# KiCad board stensgrind_pcb.kicad_pcb (continued)
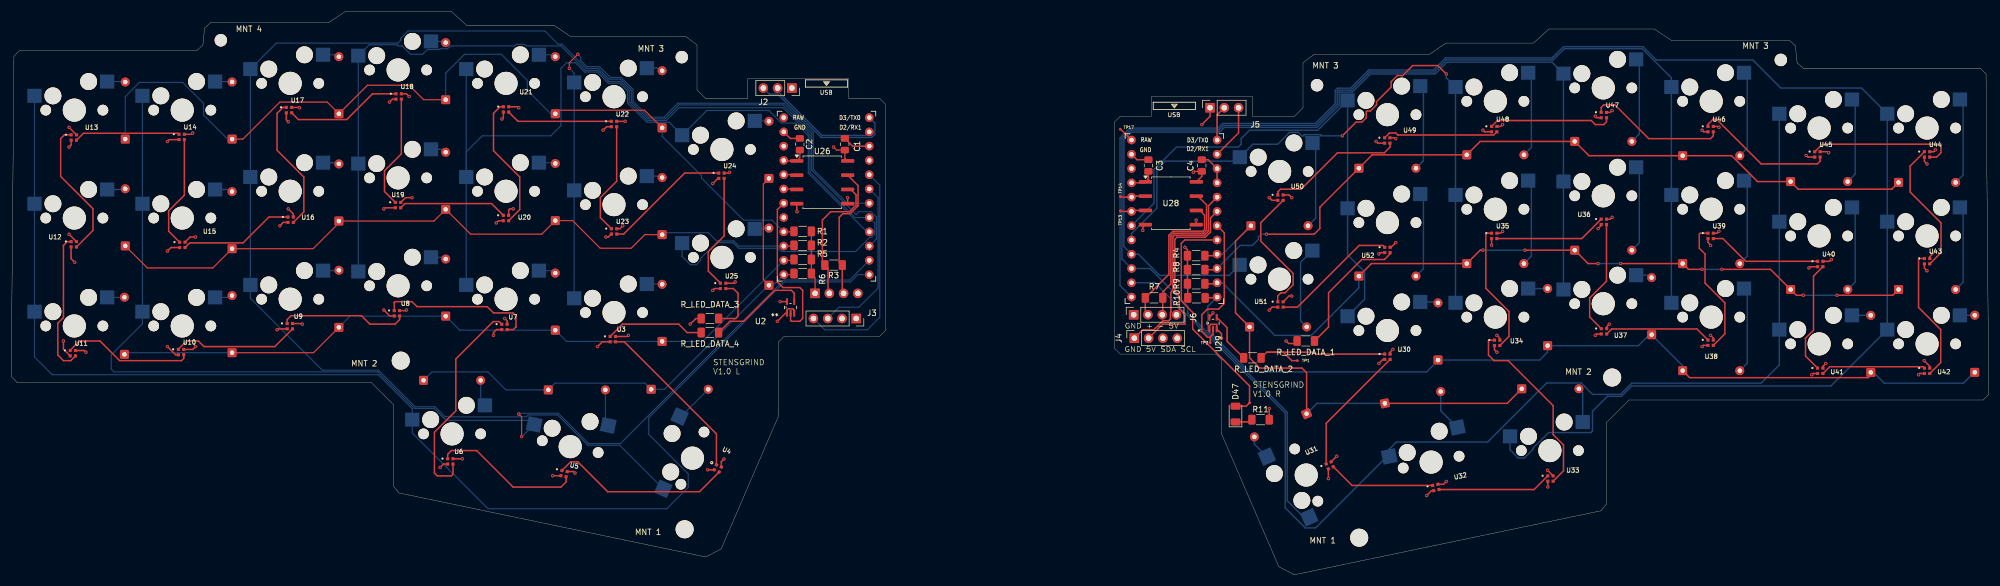
[diagram p0: board, top side]
## Nets (continued)
Net-(U52-DOUT): R_LED_DATA_1.1 U52.3

## Via types
v1: diameter 0.6, hole 0.3, Top to Bottom, 122 vias

## Routing (per net, layer and track width the routed paths; a pad name or vN(x,y) marks a point on that pad's centre or on a via; arc(x,y) is an arc through that point)
/LEFT_SIDE/V3.3: length 4.5
  Top w0.2: C2.2 140.28,74.18 U26.1 137.5,73.63 U1.21
/LEFT_SIDE/V5: length 49.2
  Top w0.2: U26.8 148.28,74.13 C1.2 146.82,75.55 v1(146.28,76.09)
  Top w0.25: U3.2 105.13,41.44 v1(104.28,40.59) ; v1(87.28,81.09) 87.55,81.35 87.55,82.32 ; U11.2 9.28,40.14 v1(9.28,41.59) ; v1(85.78,42.59) 85.78,43.09 86.31,43.62 U7.2 ; v1(27.78,57.59) 28.41,58.22 U15.2 ; U23.2 106.23,60.09 v1(105.78,60.09) ; U8.2 67.33,46.04 v1(66.28,47.09) ; U14.2 28.11,77.42 v1(27.78,77.09) ; U4.2 v1(123.87,18.68) 123.78,18.59 ; v1(76.28,19.09) 76.88,19.69 U6.2 ; 10.66,77.32 10.66,76.47 v1(10.28,76.09) ; v1(49.28,80.59) 48.93,80.94 U17.2 ; v1(11.28,55.59) 10.65,56.23 U12.2 ; U16.2 48.38,62.69 v1(47.78,62.09) ; U20.2 86.68,62.99 v1(86.28,62.59) ; 125.86,70.52 125.71,70.52 v1(124.78,69.59) ; v1(66.28,65.09) 66.48,65.29 U19.2 ; v1(27.78,40.59) 29.23,39.14 U10.2 ; 96.28,17.59 v1(96.32,17.62) U5.2 ; U18.2 67.81,84.62 v1(67.28,84.09) ; v1(47.28,43.59) 47.43,43.74 U9.2 ; v1(124.78,50.59) 125.11,50.92 126.16,50.92 ; U22.2 105.91,79.72 v1(105.28,79.09) ; U2.5 v1(136.78,48.59)
/RIGHT_SIDE/V3.3: length 4.6
  Top w0.25: 199.29,69.72 201.58,69.72 U28.1 202.28,70.43 C3.2
/RIGHT_SIDE/V5: length 39.5
  Top w0.25: v1(319.28,74.59) 319.56,74.31 U45.2 ; v1(282.28,61.59) 282.83,62.14 U36.2 ; U52.2 243.5,57.31 v1(243.28,57.09) ; 234.28,17.09 v1(234.3,17.11) U31.2 ; v1(223.78,47.09) 224.31,47.62 U51.2 ; v1(210.28,71.59) 210.46,71.76 C4.2 211.78,70.88 U28.8 ; v1(300.78,40.59) 301,40.81 U38.2 ; U39.2 301.83,59.14 302.28,58.68 v1(302.28,58.59) ; U40.2 320,54.81 v1(319.78,54.59) ; U35.2 v1(263.33,58.64) 263.28,58.59 ; U48.2 262.06,78.81 v1(261.78,79.09) ; v1(320.28,35.59) 320.5,35.81 U41.2 ; TP17.1 197.37,79.26 U27.24 ; v1(300.78,79.09) 301.06,78.81 U46.2 ; U42.2 339.5,35.81 v1(339.28,35.59) ; v1(281.78,42.59) 282.03,42.84 U37.2 ; v1(223.78,67.09) 224.26,66.62 U50.2 ; U34.2 263.85,40.02 v1(264.28,39.59) ; 273.28,15.59 v1(273.33,15.64) U33.2 ; U30.2 244,38.31 v1(243.28,37.59) ; v1(340.78,54.09) 340.33,54.55 U43.2 ; U47.2 282.06,81.31 v1(281.78,81.59) ; U44.2 340.33,73.55 v1(340.78,73.09) ; v1(242.78,77.09) 243.09,76.79 U49.2 ; v1(213.78,46.59) 213.78,46.46 U29.5 ; v1(251.78,14.09) 252.66,14.97 U32.2
  Bottom w0.25: U27.24 199.2,77.34
GNDL: length 69.3
  Top w0.2: R1.2 R2.2 R5.2 R6.2 142.33,53.54 142.98,52.89 J1.1
  Top w0.25: U16.4 50.18,64.19 v1(49.28,65.09) ; v1(32.28,78.59) 32.06,78.37 30.8,78.37 ; U24.4 127.66,71.47 v1(127.78,71.59) ; v1(108.78,62.09) 108.26,61.57 U23.4 ; 10.28,60.59 v1(10.28,60.58) 11.6,59.27 ; U21.4 90.11,83.27 v1(90.28,83.09) ; U1.23 138.58,77.63 C2.1 ; C1.1 149.66,76.25 U1.3 ; v1(126.78,20.59) 126.32,20.13 U4.4 ; U7.4 88.21,45.17 v1(87.78,45.59) ; v1(128.78,52.09) 128.56,51.87 U25.4 ; U9.4 51.68,44.69 v1(51.78,44.59) ; U5.4 100.02,18.36 v1(100.28,18.09) ; R_LED_DATA_3.2 121.78,45.59 v1(120.78,44.59) ; U3.4 109.58,42.39 v1(109.78,42.59) ; U19.4 70.13,67.09 v1(71.28,67.09) ; v1(89.28,65.09) 88.68,65.09 88.48,64.89 U20.4 ; U10.4 32.28,40.09 v1(32.78,40.59) ; v1(70.78,85.09) 70.31,85.57 U18.4 ; U26.4 139.73,64.64 v1(139.78,64.59) ; U17.4 51.23,83.14 v1(51.28,83.09) ; v1(13.28,39.59) 12.98,39.89 U11.4 ; U26.5 v1(148.78,67.09) ; 80.28,20.59 v1(80.23,20.64) U6.4 ; 109.28,80.59 v1(109.21,80.67) 107.7,80.67 ; v1(32.78,60.09) 31.83,60.09 U15.4 ; U8.4 70.18,46.99 v1(70.28,47.09) ; U2.3 139.28,47.07 139.04,47.32 138.23,47.32 137.98,47.07 U2.1 137.7,46.51 v1(136.28,45.09) ; U13.4 v1(10.28,79.59)
GNDR: length 63.7
  Top w0.25: v1(303.78,61.09) 303.45,60.76 U39.4 ; v1(284.78,63.59) 284.45,63.26 U36.4 ; v1(223.78,29.59) R11.2 ; U34.4 264.8,42.07 v1(264.28,42.59) ; U30.4 245.28,39.59 v1(245.78,40.09) ; 214.51,69.72 U27.3 212.93,73.84 C4.1 ; v1(323.28,75.09) 323.11,75.26 U45.4 ; v1(342.28,75.59) 341.95,75.26 U44.4 ; U29.1 213.13,44.29 213.4,44.56 214.43,44.56 U29.3 215.28,42.87 v1(215.28,42.09) ; 199.29,74.8 200.25,73.84 C3.1 ; U50.4 227.31,67.57 v1(227.78,67.09) ; U28.4 201.28,61.81 v1(201.28,61.26) ; U46.4 303.61,79.76 v1(303.78,79.59) ; U32.4 254.78,16.09 v1(255.28,16.59) ; v1(284.78,82.59) 284.45,82.26 U47.4 ; U37.4 283.8,44.11 v1(284.28,44.59) ; v1(246.28,59.09) 245.45,58.26 U52.4 ; U38.4 302.78,42.1 v1(302.28,42.59) ; v1(265.28,61.09) 264.95,60.76 U35.4 ; U28.5 210.81,63.07 v1(210.78,63.09) ; U31.4 v1(235.78,21.09) ; v1(227.78,49.59) 227.28,49.59 U51.4 ; v1(323.78,56.09) 323.45,55.76 U40.4 ; U41.4 322.28,37.09 v1(322.78,37.59) ; v1(246.28,77.59) 246.14,77.74 U49.4 ; J5.1 213.24,81.55 v1(211.78,80.09) ; v1(265.28,80.09) 264.95,79.76 U48.4 ; v1(208.78,58.26) 209.23,57.81 R4.2 R8.2 R9.2 209.23,51.31 209.28,51.26 R10.2 ; U42.4 341.28,37.1 v1(340.28,38.09) ; v1(226.78,41.59) 227.23,41.14 228.28,41.14 R_LED_DATA_1.2 ; U33.4 v1(273.28,18.59) ; v1(342.28,57.59) 341.28,56.59 U43.4
/LEFT_SIDE/CAN+: length 24.3
  Top w0.25: U26.7 150.63,69.24 150.63,65.64 149.24,64.24 147.93,64.24 147.28,63.6 147.28,55.59 147.78,55.09 R3.1 147.83,50.3 J1.3
/LEFT_SIDE/CAN-: length 24.4
  Top w0.25: U26.6 149.32,68.55 150.28,67.59 150.28,65.78 149.09,64.59 145.78,64.59 144.28,63.09 144.28,55.54 R3.2 145.28,54.54 145.28,50.31 J1.2
/LEFT_SIDE/CAN_RX: length 2.4
  Top w0.2: U1.20 139.65,71.17 U26.2
/LEFT_SIDE/CAN_TX: length 2.4
  Top w0.2: U1.19 139.65,68.63 U26.3
/LEFT_SIDE/COL_1: length 243.1
  Bottom w0.2: U1.12 150.59,53.39 149.28,52.09 137.54,52.09 113.41,27.96 113.41,24.96 120.42,17.95 120.42,15.56 116.6,11.74 84.83,11.74 71.34,25.23 SW19.1 71.34,29.54 65.28,35.59 7.28,35.59 4.14,38.74 SW13.1 SW7.1 SW1.1
/LEFT_SIDE/COL_2: length 215.7
  Top w0.2: v1(90.78,24.59) 90.78,28.09 v1(90.28,28.59)
  Bottom w0.2: SW2.1 SW8.1 SW14.1 23.34,44.64 17.78,39.09 17.78,36.59 18.28,36.09 65.21,36.09 71.71,29.59 75.24,29.59 77.37,27.47 92.3,27.47 SW20.1 90.88,24.59 v1(90.78,24.59) ; v1(90.28,28.59) 90.42,28.73 97.32,28.73 102.7,23.34 108.37,23.34 137.45,52.43 149.13,52.43 U1.11
/LEFT_SIDE/COL_3: length 269.8
  Bottom w0.2: SW21.1 108.24,23.04 102.58,23.04 97.19,28.43 91.96,28.43 91.62,28.09 77.17,28.09 75.37,29.89 71.83,29.89 65.33,36.39 55.34,36.39 42.54,49.19 SW15.1 SW9.1 SW3.1 47.16,94.59 68.78,94.59 69.28,95.09 69.28,95.43 70.59,96.74 94.94,96.74 97.28,94.39 97.98,94.39 102.28,90.09 104.43,90.09 106.36,88.17 108.35,88.17 110.3,86.22 110.3,84.1 113.29,81.11 116.28,81.11 118.76,83.59 137.28,83.59 142.39,78.49 142.39,71.99 150.28,64.09 150.78,64.59 152.96,64.59 153.9,63.65 153.9,59.74 U1.10
/LEFT_SIDE/COL_4: length 195.7
  Bottom w0.2: SW22.1 119.34,56.63 120.8,55.16 121.88,55.16 122.64,55.93 122.64,56.29 125.44,59.09 128.37,59.09 129.39,58.07 136.45,58.07 137.02,57.51 150.2,57.51 152.74,60.05 153.03,60.05 153.6,60.61 153.6,62.59 U1.8 150.09,63.55 142.08,71.56 142.08,78.22 141.78,78.52 141.78,78.59 137.28,83.09 118.78,83.09 116.51,80.81 113.16,80.81 109.92,84.05 109.92,86.17 108.34,87.75 106.35,87.75 104.36,89.74 102.14,89.74 97.78,94.09 91.6,94.09 91.33,94.36 89.79,94.36 89.53,94.09 78.12,94.09 77.62,93.59 76.28,93.59 76.14,93.45 76.14,93.44 74.03,93.44 73.18,92.59 71.04,92.59 69.54,94.09 68.78,94.09 68.58,94.29 63.68,94.29 SW4.1 SW10.1 SW16.1
/LEFT_SIDE/COL_5: length 148.4
  Bottom w0.2: U1.9 152.21,61.01 141.78,71.44 141.78,78.09 139.5,80.37 137.02,80.37 134.78,82.6 134.78,82.59 129.73,82.59 129.73,82.6 128.19,82.6 128.19,82.59 123.72,82.59 SW23.1 117.03,80.51 113.04,80.51 109.62,83.93 109.62,86.04 108.22,87.45 106.23,87.45 104.24,89.44 102.01,89.44 100.36,91.09 99.49,91.09 99.08,91.09 99.07,91.09 98.78,91.09 97.78,90.09 97.78,79.89 95.99,78.09 83.78,78.09 80.94,75.24 SW11.1 ; SW11.1 SW5.1 ; SW11.1 SW17.1
/LEFT_SIDE/COL_6: length 114.7
  Top w0.2: v1(99.28,90.09) 99.28,91.09 v1(100.78,92.59)
  Bottom w0.2: v1(99.28,90.09) 100.14,89.24 SW6.1 SW12.1 SW18.1 ; U1.7 148.71,66.09 142.69,72.11 142.69,78.69 137.48,83.89 118.58,83.89 116.11,81.42 113.41,81.42 110.6,84.23 110.6,86.34 108.47,88.47 106.57,88.47 104.65,90.39 102.41,90.39 101.28,91.52 101.28,92.09 v1(100.78,92.59)
/LEFT_SIDE/LED_DOUT_V3.3: length 28.3
  Top w0.25: U1.18 136.28,64.96 136.28,52.09 137.28,51.09 140.28,51.09 140.78,50.59 140.78,45.59 140.28,45.09 138.78,45.09 138.63,45.24 U2.2
/LEFT_SIDE/LED_DOUT_V5: length 18.3
  Top w0.25: R_LED_DATA_4.2 127.83,45.09 130.28,45.09 135.78,50.59 138.78,50.59 139.28,50.09 U2.4
/LEFT_SIDE/ROW_1: length 161.6
  Top w0.2: R1.1 139.16,61.01 U1.16 ; D2.1 41.2,77.51 47.78,84.09 56.2,84.09 D3.1 63.36,87.09 70.78,87.09 73.36,84.51 D4.1 ; D6.1 112.65,82.65 97.42,82.65 D5.1
  Bottom w0.2: D1.1 20.28,85.08 22.8,87.59 30.5,87.59 34.2,83.89 34.2,81.79 38.48,77.51 D2.1 ; U1.16 135.34,63.09 130.28,63.09 122.78,70.59 122.78,71 115.78,78 D6.1 ; D5.1 95.98,82.01 91.8,86.19 91.8,87.97 87.18,92.59 80.63,92.59 77.28,89.24 D4.1
/LEFT_SIDE/ROW_2: length 132.1
  Top w0.2: R2.1 139.12,58.47 U1.15 ; D7.1 24.2,54.59 35.86,54.59 D8.1 53.7,58.01 58.28,62.59 D9.1 75.2,62.93 D10.1 81.7,60.59 94.36,60.59 D11.1 99.86,63.01 104.78,58.09 110.28,58.09 112.7,60.51 D12.1
  Bottom w0.2: U1.15 129.42,58.47 128.5,59.39 125.48,59.39 124.02,60.86 116.13,60.86 D12.1
/LEFT_SIDE/ROW_3: length 129.8
  Top w0.2: D14.1 53.78,39.51 D15.1 ; R5.1 139.08,55.93 U1.14
  Bottom w0.2: D13.1 20.43,39.51 D14.1 ; U1.14 122.99,41.51 D18.1 98.78,41.51 D17.1 79.78,43.51 D16.1 60.28,46.01 D15.1
/LEFT_SIDE/ROW_4: length 97.2
  Top w0.2: R6.1 139.04,53.39 U1.13 ; D22.1 133.78,52.51 133.78,69.51 D23.1
  Bottom w0.2: D19.1 74.84,36.09 84.78,36.09 87.98,32.89 D20.1 96.73,34.09 112.73,34.09 D21.1 116.18,32.99 134.7,51.51 D22.1 135.53,51.51 U1.13
/LEFT_SIDE/SCL: length 29.5
  Bottom w0.2: J3.3 147.24,47.59 150.78,47.59 154.2,51.01 154.2,67.07 U1.6
/LEFT_SIDE/SDA: length 39.7
  Bottom w0.2: J3.4 144.7,43.59 152.28,43.59 154.5,45.81 154.5,69.31 U1.5
/LEFT_SIDE/SERIAL_RX: length 20.4
  Bottom w0.25: J2.2 136.32,86.05 144.22,78.16 152,78.16 U1.2
/LEFT_SIDE/SERIAL_TX: length 27.1
  Bottom w0.25: J2.3 134.86,85.52 136.36,85.52 144.07,77.81 153.04,77.81 153.62,78.38 153.62,80.35 U1.1
/RIGHT_SIDE/CAN+: length 28.4
  Top w0.25: U28.7 211.08,67.36 212.63,65.81 212.63,61.27 212.13,60.76 206.78,60.76 206.28,60.26 206.28,51.76 204.83,50.31 R7.1 204.83,46.35 J6.3
/RIGHT_SIDE/CAN-: length 27.2
  Top w0.25: J6.2 201.73,46.73 R7.2 205.93,53.46 205.93,60.41 206.64,61.12 211.98,61.12 212.28,61.42 212.28,63.96 211.42,64.82 U28.6
/RIGHT_SIDE/CAN_RX: length 4.6
  Top w0.25: U28.2 199.46,67.36 199.29,67.18 197.36,67.18 TP14.1
/RIGHT_SIDE/CAN_TX: length 4.6
  Top w0.25: TP13.1 197.4,64.64 U27.19 199.46,64.82 U28.3
/RIGHT_SIDE/COL_1: length 298.8
  Bottom w0.25: SW27.1 266.62,22.22 268.07,20.77 269.17,20.77 270.67,22.26 270.67,22.49 273.48,25.3 280.99,25.3 281.28,25.59 281.28,29.09 283.93,31.74 286.43,31.74 288.28,33.59 323.7,33.59 SW26.1 SW25.1 SW24.1 329.14,86.59 314.78,86.59 309.78,91.59 292.62,91.59 290.27,93.94 276.14,93.94 274.79,92.59 274.78,92.59 274.28,92.09 274.29,92.09 274.14,91.94 255.14,91.94 252.99,89.79 241.49,89.79 241.29,89.59 241.29,89.59 238.27,86.57 235.93,86.57 235.52,86.16 235.52,83.82 231.99,80.29 215.49,80.29 214.66,79.47 198.99,79.47 197.23,77.7 197.23,51.46 199.29,49.4
/RIGHT_SIDE/COL_2: length 202.3
  Bottom w0.25: SW28.1 SW29.1 SW30.1 314.52,37.33 311.28,34.09 288.28,34.09 286.28,32.09 281.28,32.09 279.89,33.49 279.89,33.52 279.29,34.12 273.13,34.12 262.62,23.61 246.4,23.61 245.13,22.34 SW31.1 244.75,21.06 232.02,8.33 230.19,8.33 226.63,11.89 226.63,28.74 203.43,51.94 U27.14
/RIGHT_SIDE/COL_3: length 233.1
  Bottom w0.25: SW35.1 229.93,10.23 226.98,13.17 226.98,28.89 209.28,46.59 209.28,47.76 202.56,54.48 U27.15 197.58,56.19 197.58,77.56 199.14,79.12 214.8,79.12 215.63,79.94 232.13,79.94 235.87,83.67 235.87,86.02 236.07,86.22 238.41,86.22 241.28,89.09 241.29,89.09 241.64,89.44 253.13,89.44 255.28,91.59 274.28,91.59 276.28,93.59 290.13,93.59 295.32,88.4 SW32.1 295.32,69.09 ; 295.32,69.09 SW34.1 ; 295.32,69.09 SW33.1
/RIGHT_SIDE/COL_4: length 167
  Bottom w0.25: 218.52,55.13 216.65,53.26 204.28,53.26 200.52,57.02 U27.16 197.93,58.38 197.93,77.41 199.28,78.76 214.96,78.76 215.78,79.59 232.28,79.59 236.22,83.53 236.22,85.87 238.56,85.87 241.78,89.09 253.28,89.09 255.38,91.19 274.08,91.19 276.12,89.16 SW37.1 SW38.1
/RIGHT_SIDE/COL_5: length 118
  Top w0.25: v1(255.28,89.09) 253.78,90.59 249.28,90.59 247.5,88.81 246.57,88.81 245.47,87.71 245.47,86.78 242.87,84.18 242.87,83.62 241.77,82.52 241.21,82.52 241.05,82.36 241.05,81.31 240.27,80.53 239.22,80.53 v1(236.78,78.09)
  Bottom w0.25: SW42.1 SW41.1 SW40.1 255.28,88.41 v1(255.28,89.09) ; U27.17 199.29,60.71 203.78,65.2 203.78,72.09 205.28,73.59 217.85,73.59 SW43.1 220.85,76.59 225.28,76.59 227.4,78.71 228.95,78.71 229.56,78.09 229.97,78.09 229.97,78.31 232.98,78.31 232.98,78.09 v1(236.78,78.09)
/RIGHT_SIDE/COL_6: length 92.7
  Bottom w0.25: U27.18 203.28,66.1 203.28,72.09 207.28,76.09 218.28,76.09 218.78,76.59 218.78,77.59 220.28,79.09 232.42,79.09 SW44.1 237.72,56.91 240.75,53.88 240.75,49.03 SW46.1
/RIGHT_SIDE/LED_DOUT_V3.3: length 26.8
  Top w0.25: 213.28,42.26 TP2.1 ; 213.28,42.26 212.78,42.26 211.78,43.26 211.78,46.26 212.78,47.26 214.78,47.26 215.78,48.26 215.78,60.83 U27.7 ; 213.28,42.26 213.78,42.76 U29.2
/RIGHT_SIDE/LED_DOUT_V5: length 9.2
  Top w0.25: R_LED_DATA_2.2 216.28,41.54 216.28,43.96 U29.4
/RIGHT_SIDE/ROW_1: length 139.3
  Top w0.25: D24.1 334.52,68.59 317.88,68.59 D31.1 310.64,69.95 306.03,74.56 D35.1 280.65,74.56 D39.1 261.3,77.09 D43.1 242.1,74.71 D44.1 232.78,65.39 232.78,61.59 231.78,60.59 v1(223.28,60.59) ; R8.1 214.29,54.26 U27.10
  Bottom w0.25: v1(223.28,60.59) 222.35,60.59 221.85,60.09 221.85,59.66 220.78,58.59 218.61,58.59 U27.10
/RIGHT_SIDE/ROW_2: length 138.6
  Top w0.25: v1(318.78,49.72) 317.55,49.72 D30.1 312.94,54.33 v1(304.28,54.33) ; v1(324.78,49.72) 334.7,49.72 D25.1 ; v1(261.78,57.74) 261.3,57.74 D42.1 241.95,55.36 D45.1 ; v1(300.78,54.33) 298.35,54.33 D34.1 v1(286.28,55.36) ; v1(269.28,57.74) D38.1 280.5,55.36 v1(282.28,55.36) ; U27.11 214.33,51.76 R9.1
  Bottom w0.25: v1(318.78,49.72) v1(324.78,49.72) ; D45.1 239.72,51.03 231.28,42.59 224.78,42.59 215.43,51.94 U27.11 ; v1(282.28,55.36) v1(286.28,55.36) ; v1(300.78,54.33) v1(304.28,54.33) ; v1(261.78,57.74) v1(269.28,57.74)
/RIGHT_SIDE/ROW_3: length 158
  Top w0.25: D28.1 330.78,35.5 330.35,35.07 298.57,35.07 D32.1 ; 214.51,49.4 214.37,49.26 R10.1
  Bottom w0.25: D26.1 349.2,36.01 347.28,34.09 333.18,34.09 331.28,35.99 D28.1 ; 214.26,49.16 214.51,49.4 212.87,47.76 212.87,43.5 213.28,43.09 213.28,43.09 220.28,36.09 251.78,36.09 253.8,38.11 D46.1 271.9,38.21 273.3,39.61 D40.1 289.45,40.76 291.4,42.71 D36.1 297.32,37.19 D32.1
/RIGHT_SIDE/ROW_4: length 94.7
  Top w0.25: U27.9 214.25,56.76 R4.1 ; D41.1 217.78,59.35 217.78,46.59 D37.1 220.28,38.59 222.11,36.77 229.61,36.77 230.43,35.95 D33.1 ; D29.1 266.1,30.49 D27.1
  Bottom w0.25: U27.9 215.46,57.02 D41.1 ; D29.1 232.27,30.49 D33.1
/RIGHT_SIDE/SCL: length 34.4
  Top w0.25: J4.2 204.82,44.59 208.78,44.59 208.78,46.29 207.78,47.29 207.78,49.63 206.99,50.42 206.99,59.67 207.38,60.06 212.42,60.06 213.34,60.98 213.34,63.47 U27.6
/RIGHT_SIDE/SDA: length 36.1
  Top w0.25: J4.1 201.28,43.59 203.28,43.59 204.88,45.19 205.88,45.19 206.21,45.52 206.21,46.71 206.28,46.79 206.28,50.22 206.63,50.57 206.63,60.12 206.93,60.41 212.27,60.41 212.99,61.13 212.99,65.66 214.51,67.18
/RIGHT_SIDE/SERIAL_RX: length 9.9
  Top w0.25: 214.51,74.8 218.32,78.62 J5.3
/RIGHT_SIDE/SERIAL_TX: length 6.3
  Top w0.25: J5.2 214.51,81.81 U27.1
/RIGHT_SIDE/STATUS_LED: length 42.8
  Top w0.25: D47.2 219.68,29.99 TP3.1 220.28,33.59 210.16,43.72 210.16,46.68 208.13,48.71 208.13,58.94 208.76,59.56 U27.8
Net-(D1-A): length 3.3
  Bottom w0.2: D1.2 20.21,87.74 SW1.2
Net-(D2-A): length 3.1
  Bottom w0.2: SW2.2 39.21,87.74 D2.2
Net-(D3-A): length 3
  Bottom w0.2: D3.2 57.95,92.51 SW3.2
Net-(D4-A): length 2.7
  Bottom w0.2: SW4.2 77.07,94.89 D4.2
Net-(D5-A): length 3.1
  Bottom w0.2: D5.2 96.45,92.51 SW5.2
Net-(D6-A): length 2.9
  Bottom w0.25: SW6.2 115.33,90.13 D6.2
Net-(D7-A): length 3.3
  Bottom w0.25: SW7.2 20.16,68.54 D7.2
Net-(D8-A): length 3.2
  Bottom w0.25: D8.2 38.91,68.54 SW8.2
Net-(D9-A): length 2.9
  Bottom w0.25: D9.2 58.07,73.31 SW9.2
Net-(D10-A): length 2.8
  Bottom w0.25: SW10.2 76.77,75.69 D10.2
Net-(D11-A): length 3
  Bottom w0.2: SW11.2 96.65,73.31 D11.2
Net-(D12-A): length 2.8
  Bottom w0.25: D12.2 115.53,70.93 SW12.2
Net-(D13-A): length 3.1
  Bottom w0.2: SW13.2 20.11,49.34 D13.2
Net-(D14-A): length 3.2
  Bottom w0.2: D14.2 38.96,49.34 SW14.2
Net-(D15-A): length 2.8
  Bottom w0.2: D15.2 58.22,54.11 SW15.2
Net-(D16-A): length 2.8
  Bottom w0.2: SW16.2 76.97,56.49 D16.2
Net-(D17-A): length 3.1
  Bottom w0.2: SW17.2 96.35,54.11 D17.2
Net-(D18-A): length 2.7
  Bottom w0.2: D18.2 115.73,51.73 SW18.2
Net-(D19-A): length 4.8
  Bottom w0.2: D19.2 83.5,30.91 SW19.2
Net-(D20-A): length 6.5
  Bottom w0.2: SW20.2 105.69,27.06 D20.2
Net-(D21-A): length 7.1
  Bottom w0.2: SW21.2 119.15,28.14 D21.2
Net-(D22-A): length 2.6
  Bottom w0.2: SW22.2 134.66,61.55 D22.2
Net-(D23-A): length 2.6
  Bottom w0.2: SW23.2 134.71,80.75 D23.2
Net-(D24-A): length 15.5
  Bottom w0.25: SW24.2 347.21,83.99 347.21,71.12 D24.2
Net-(D25-A): length 15.4
  Bottom w0.25: SW25.2 347.21,64.79 347.21,52.07 D25.2
Net-(D26-A): length 2.6
  Bottom w0.25: SW26.2 349.27,46.15 D26.2
Net-(D27-A): length 6.2
  Bottom w0.25: D27.2 279.55,32.41 SW27.2
Net-(D28-A): length 3.3
  Bottom w0.25: SW30.2 D28.2
Net-(D29-A): length 7.6
  Bottom w0.25: D29.2 254.28,29.18 SW31.2
Net-(D30-A): length 15.4
  Bottom w0.25: D30.2 328.01,52.07 328.01,64.79 SW29.2
Net-(D31-A): length 15.4
  Bottom w0.25: D31.2 328.01,71.27 328.01,83.99 SW28.2
Net-(D32-A): length 15.4
  Bottom w0.25: SW34.2 308.81,50.35 308.81,37.64 D32.2
Net-(D33-A): length 4.4
  Bottom w0.25: SW35.2 221.14,23.24 D33.2
Net-(D34-A): length 15.5
  Bottom w0.25: D34.2 308.81,56.69 308.81,69.55 SW33.2
Net-(D35-A): length 15.5
  Bottom w0.25: D35.2 308.81,75.89 308.81,88.75 SW32.2
Net-(D36-A): length 2.9
  Bottom w0.25: D36.2 291.37,53.3 SW38.2
Net-(D37-A): length 14.9
  Bottom w0.25: D37.2 229.36,45.18 229.36,55.58 SW39.2
Net-(D38-A): length 15.5
  Bottom w0.25: D38.2 289.61,59.07 289.61,71.93 SW37.2
Net-(D39-A): length 15.4
  Bottom w0.25: D39.2 289.61,78.42 289.61,91.13 SW36.2
Net-(D40-A): length 3.5
  Bottom w0.25: SW42.2 D40.2
Net-(D41-A): length 15.5
  Bottom w0.25: SW43.2 232.04,76.27 232.04,63.45 D41.2
Net-(D42-A): length 15.5
  Bottom w0.25: D42.2 270.41,56.69 270.41,69.55 SW41.2
Net-(D43-A): length 15.4
  Bottom w0.25: D43.2 270.41,76.04 270.41,88.75 SW40.2
Net-(D44-A): length 15.4
  Bottom w0.25: SW44.2 251.21,86.37 251.21,73.66 D44.2
Net-(D45-A): length 15.4
  Bottom w0.25: SW45.2 251.21,67.17 251.21,54.46 D45.2
Net-(D46-A): length 3.2
  Bottom w0.25: SW46.2 253.64,48.53 D46.2
Net-(D47-K): length 3.1
  Top w0.25: D47.1 220.28,27.19 R11.1
Net-(U3-DIN): length 17.7
  Top w0.25: U3.1 108.73,44.59 118.73,44.59 120.23,43.09 R_LED_DATA_4.1
Net-(U3-DOUT): length 30.3
  Top w0.25: U3.3 109.06,41.44 125.45,25.05 U4.1
Net-(U4-DOUT): length 32.3
  Top w0.25: U5.1 99.5,20.09 100.78,20.09 106.1,14.78 122.42,14.78 U4.3
Net-(U5-DOUT): length 26.1
  Top w0.25: U6.1 77.63,21.44 78.28,22.09 82.78,22.09 89.28,15.59 97.78,15.59 98.7,16.51 U5.3
Net-(U6-DOUT): length 38.4
  Top w0.25: U7.1 86.78,45.04 85.73,45.04 79.09,38.39 79.09,29.16 75.28,25.36 75.28,18.09 75.78,17.59 78.28,17.59 78.58,17.89 U6.3
Net-(U7-DOUT): length 28
  Top w0.25: U7.3 89.31,43.62 89.78,44.09 89.78,46.09 89.28,46.59 85.78,46.59 84.67,47.7 72.17,47.7 71.28,48.59 68.28,48.59 68.13,48.44 U8.1
Net-(U8-DOUT): length 22.6
  Top w0.25: U9.1 49.08,45.39 49.78,46.09 62.28,46.09 63.78,44.59 68.28,44.59 69.08,45.39 U8.3
Net-(U10-DIN): length 22.7
  Top w0.25: U10.1 29.73,40.14 31.18,41.59 33.28,41.59 34.28,40.59 46.88,40.59 U9.3
Net-(U10-DOUT): length 23.2
  Top w0.25: U11.1 10.48,39.94 12.13,41.59 15.78,41.59 19.28,38.09 30.28,38.09 30.68,38.49 U10.3
Net-(U11-DOUT): length 25.5
  Top w0.25: 10.65,59.27 9.96,59.27 9.28,58.59 9.29,58.59 9.29,45.76 8.28,44.76 8.28,39.09 9.28,38.09 10.58,38.09 U11.3
Net-(U12-DOUT): length 25
  Top w0.25: U12.3 14.54,61.26 14.54,65.11 8.78,70.87 8.78,77.59 9.46,78.27 U13.1
Net-(U13-DOUT): length 18.8
  Top w0.25: 29.85,78.37 29.68,78.54 12.83,78.54 11.61,77.32
Net-(U14-DOUT): length 20.2
  Top w0.25: U15.1 28,61.13 28,64.74 30.8,67.54 U14.3
Net-(U15-DOUT): length 20.6
  Top w0.25: U16.1 45.83,63.64 41.23,59.04 31.73,59.04 U15.3
Net-(U16-DOUT): length 24.2
  Top w0.25: U17.1 48.33,83.14 47.28,82.09 47.28,75.53 52.05,70.77 52.05,64.56 U16.3
Net-(U17-DOUT): length 21
  Top w0.25: U17.3 51.09,80.99 59.68,80.99 64.28,85.59 64.31,85.57 U18.1
Net-(U18-DOUT): length 20.4
  Top w0.25: U18.3 69.4,74.88 66.4,71.88 66.4,68.18 U19.1
Net-(U19-DOUT): length 19.4
  Top w0.25: U19.3 70.03,66.04 85.44,66.04 U20.1
Net-(U20-DOUT): length 24.1
  Top w0.25: U21.1 86.96,83.27 85.78,82.09 85.78,75.43 90.45,70.77 90.45,64.96 U20.3
Net-(U21-DOUT): length 18.9
  Top w0.25: 88.5,82.32 90.15,80.67 106.75,80.67
Net-(U22-DOUT): length 20.2
  Top w0.25: U23.1 104.8,63.53 104.8,67.1 107.7,70 U22.3
Net-(U23-DOUT): length 22.6
  Top w0.25: U23.3 108.95,60.62 119.8,71.47 U24.1
Net-(U24-DOUT): length 20.7
  Top w0.25: U25.1 124,54.03 124,57.47 126.81,60.28 126.81,70.52
Net-(U25-DOUT): length 10.2
  Top w0.25: R_LED_DATA_3.1 128.88,45.59 129.28,45.99 129.28,50.09 128.46,50.92 127.11,50.92
Net-(U30-DIN): length 28.6
  Top w0.25: TP1.1 227.78,38.09 226.28,39.59 223.33,39.59 ; U30.1 232.06,39.26 231.73,39.59 223.33,39.59 ; 223.33,39.59 R_LED_DATA_2.1
Net-(U30-DOUT): length 23.3
  Top w0.25: U30.3 233.92,26.95 U31.1
Net-(U31-DOUT): length 19.1
  Top w0.25: U31.3 238.5,15.89 U32.1
Net-(U32-DOUT): length 20.4
  Top w0.25: U32.3 270.9,15.16 U33.1
Net-(U33-DOUT): length 33.8
  Top w0.25: U34.1 262.93,41.74 262.78,41.59 262.78,39.09 263.78,38.09 266.28,38.09 274.28,30.09 274.28,24.94 276.13,23.1 276.13,18.49 U33.3
Net-(U34-DOUT): length 23.3
  Top w0.25: U34.3 266.43,42.41 266.43,46.84 262.31,50.96 262.31,60.57 262.28,60.59 262.45,60.76 U35.1
Net-(U35-DOUT): length 20
  Top w0.25: U35.3 279.38,59.81 U36.1
Net-(U36-DOUT): length 20.6
  Top w0.25: U37.1 280.78,45.86 280.78,49.22 283.78,52.22 U36.3
Net-(U37-DOUT): length 19.2
  Top w0.25: U38.1 299.86,43.73 284.7,43.73 U37.3
Net-(U38-DOUT): length 24.1
  Top w0.25: U39.1 300.45,60.76 300.28,60.59 300.28,58.09 301.31,57.07 301.31,51.9 304.83,48.38 304.83,42.86 U38.3
Net-(U39-DOUT): length 20.2
  Top w0.25: U39.3 304.48,59.81 308.53,55.76 U40.1
Net-(U40-DOUT): length 20.2
  Top w0.25: U41.1 319.18,38.91 319.18,42.08 320.6,43.5 320.6,53.13 U40.3
Net-(U41-DOUT): length 18.7
  Top w0.25: U41.3 323.49,37.02 340.07,37.02 U42.1
Net-(U42-DOUT): length 23.8
  Top w0.25: U42.3 343.23,37.76 343.23,43.61 339.28,47.56 339.28,56.09 339.45,56.26 U43.1
Net-(U43-DOUT): length 24.1
  Top w0.25: U43.3 343.28,57.32 343.28,62.59 337.78,68.09 337.78,72.72 U44.1
Net-(U44-DOUT): length 26.5
  Top w0.25: U44.3 342.5,74.31 343.28,75.09 343.28,76.09 342.78,76.59 322.16,76.59 U45.1
Net-(U45-DOUT): length 25
  Top w0.25: U45.3 321.78,73.59 321.28,73.09 311.28,73.09 303.28,81.09 302.78,81.09 301.83,80.14 U46.1
Net-(U46-DOUT): length 24.4
  Top w0.25: U46.3 302.78,78.09 302.28,77.59 291.28,77.59 285.28,83.59 283.28,83.59 282.83,83.14 U47.1
Net-(U47-DOUT): length 22.1
  Top w0.25: U47.3 283.78,80.59 283.28,80.09 281.78,80.09 281.06,80.81 264.38,80.81 U48.1
Net-(U48-DOUT): length 20.7
  Top w0.25: U49.1 245.16,78.59 246.28,78.59 246.64,78.24 263.7,78.24 U48.3
Net-(U49-DOUT): length 24.5
  Top w0.25: U49.3 245.25,76.06 244.25,75.06 235.9,75.06 229.43,68.59 225.78,68.59 225.31,68.12 U50.1
Net-(U50-DOUT): length 23.7
  Top w0.25: U50.3 222.28,62.64 222.28,59.34 228.03,53.6 228.03,51.59 226.61,50.17 225.86,50.17 225.28,49.59 225.28,48.59 U51.1
Net-(U51-DOUT): length 22.8
  Top w0.25: U51.3 228.81,47.62 239.78,58.59 244,58.59 U52.1
Net-(U52-DOUT): length 23.7
  Top w0.25: U52.3 245.28,57.09 244.28,56.09 240.23,56.09 234.33,50.19 234.33,44.09 R_LED_DATA_1.1

## Copper pours and planes (outline as drawn; the poured copper is in the pictures)
/LEFT_SIDE/V5 on In2.Cu: 1.7,92.19 29.39,89.05 72.69,96.85 80.99,97.75 99.28,95.59 114.93,94.99 121.99,86.25 123.49,84.75 130.99,84.75 130.99,88.25 148.99,88.25 148.99,84.75 154.49,84.75 155.49,83.75 154.49,42.43 137.49,42.43 136.49,41.43 126.03,8.18 68.9,15.54 67.99,30.25 63.99,34.25 1.7,34.74
/RIGHT_SIDE/V5 on In2.Cu: 197.28,81.59 231.78,81.59 233.28,83.09 235.28,91.38 254.33,91.38 254.48,93.76 273.53,93.76 273.53,96.14 292.73,96.14 292.88,93.76 311.93,93.76 311.93,89 350.33,89 350.33,31.55 312.08,31.55 283.23,31.62 283.23,12.57 263.93,12.35 245.28,8.53 227.44,0.82 216.78,25.09 215.78,39.59 197.28,39.59 196.28,80.59
GNDL on In1.Cu: 1.7,92.19 33.63,92.89 59.15,97.29 67.78,98.09 81.23,97.69 99.28,95.59 114.93,94.99 121.99,86.25 123.49,84.75 130.99,84.75 130.99,88.25 148.99,88.25 148.99,84.75 154.49,84.75 155.49,83.75 154.49,42.43 137.49,42.43 136.49,41.43 126.03,8.18 68.9,15.54 67.99,30.25 63.99,34.25 1.43,36.79
GNDR on In1.Cu: 231.78,81.59 233.28,83.09 235.28,91.38 254.33,91.38 254.48,93.76 273.53,93.76 273.53,96.14 292.73,96.14 292.88,93.76 311.93,93.76 312.08,89 350.33,89 350.33,31.55 312.08,31.55 283.23,31.62 283.23,12.57 263.93,12.35 245.28,8.53 227.44,0.82 216.78,25.09 216.28,39.59 197.28,39.59 196.28,80.59 197.28,81.59

## Text on the board
B.Silkscreen: https://github.com/Deltaphish/stensgrind
F.Silkscreen: GND 5V SDA SCL | GND + - 5V | STENSGRIND / V1.0 L | STENSGRIND / V1.0 R
